# Altium PCB PCB1.PcbDoc (part 2 of 4) (continued)
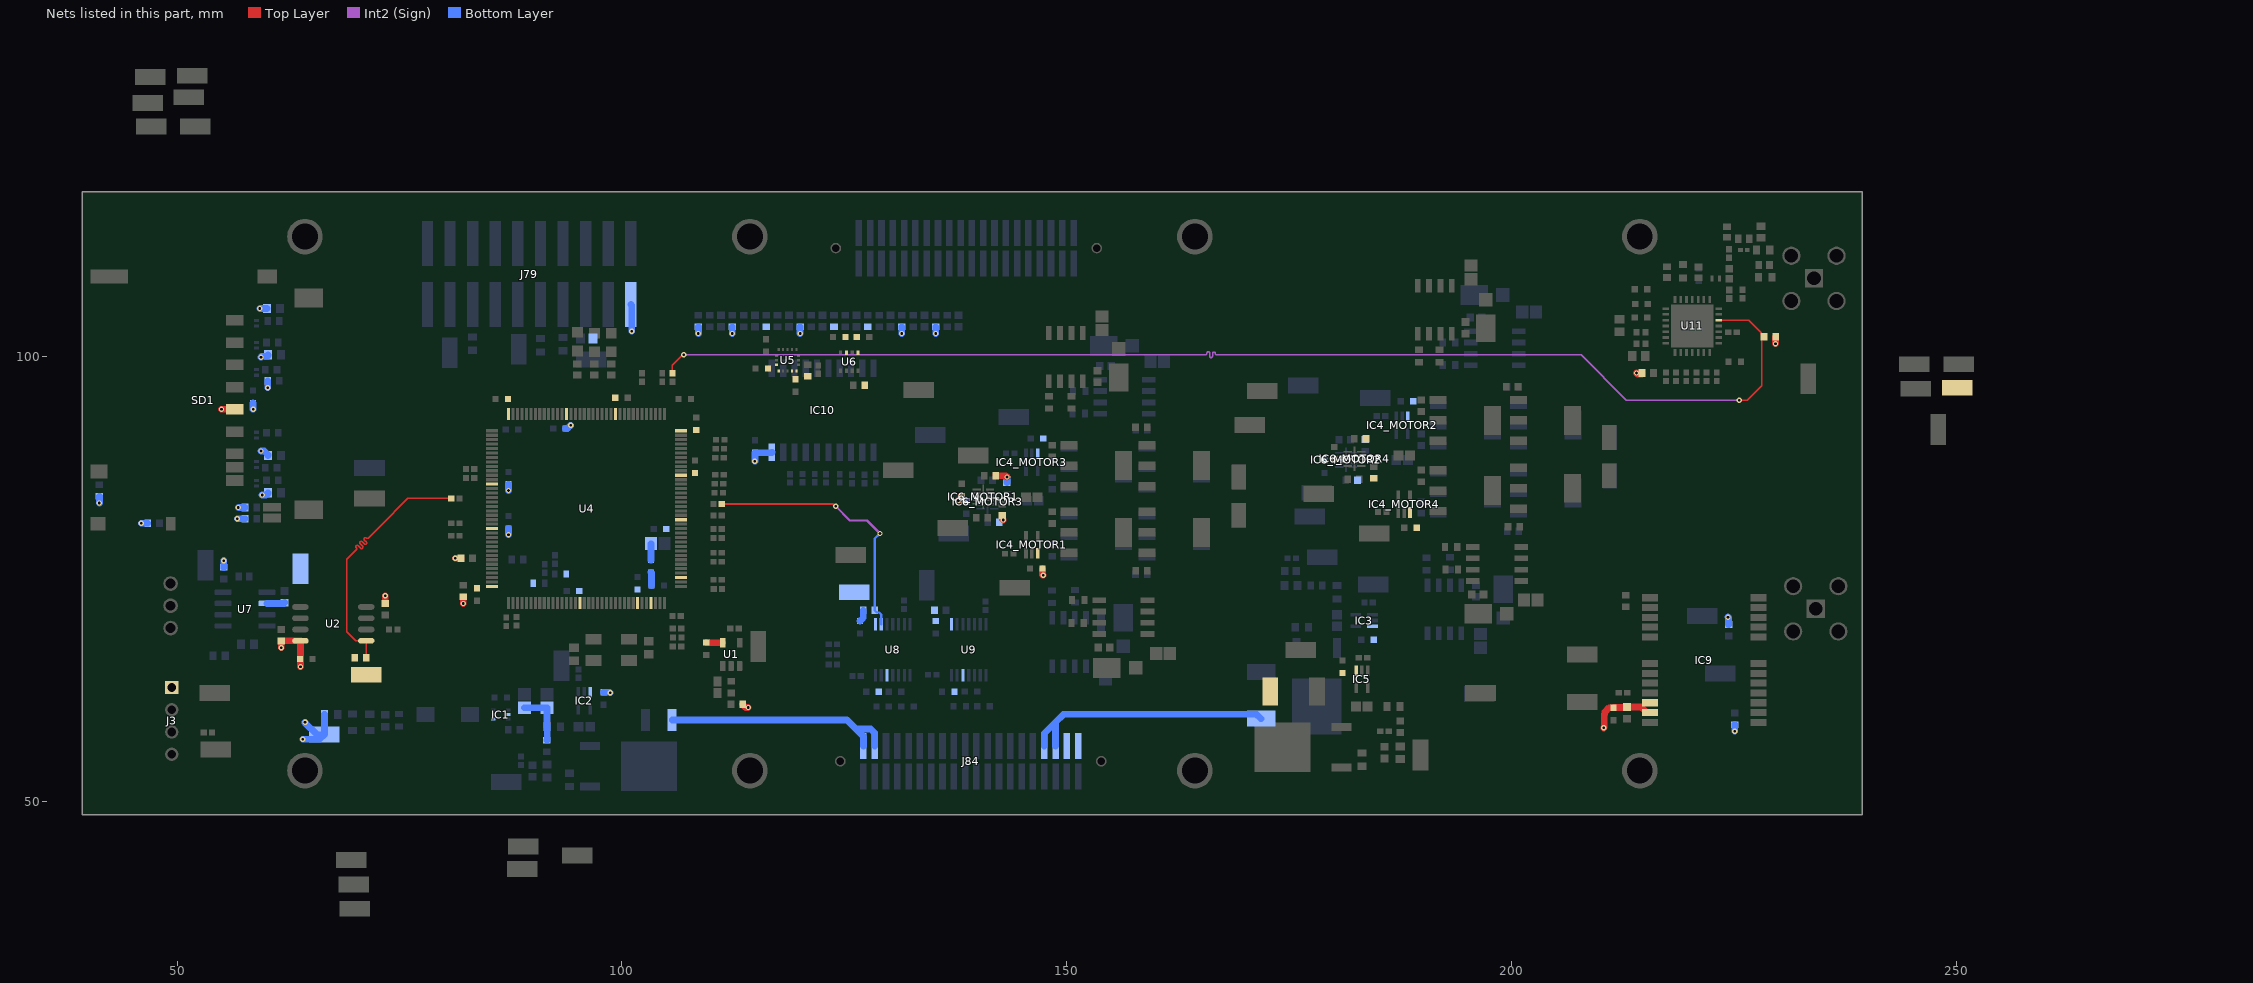
[diagram p6: the nets of this part, all layers, seen from the top]
## Part data (continued)
R119 R120: library part CMP-2000-06942-1, "Chip Resistor, 4.7 KOhm, +/- 1%, 0.1 W, -55 to 155 degC, 0603 (1608 Metric), RoHS, Tape and Reel", Case Code (Imperial)=0603, Case Code (Metric)=1608, Manufacturer=Yageo, Max Operating Temperature=155°C, Max Power Dissipation=100mW, Min Operating Temperature=-55°C, Operating Temperature Range=-55Cto+155C, Package Description="2-Pin Surface Mount Device, Body 1.6 x 0.8 mm", Resistance=4.7kOhms, Resistance Tolerance=1%, Resistor Type="Thick Film", Supplier Part Number 1=603-RC0603FR-074K7L, Temperature Coefficient=100PPM/C, Voltage Rating=50V, Case Code - in=0603, Case Code - mm=1608, Case/Package=0603, Category="Chip SMD Resistors", ComponentLink1Description=https://datasheet.ciiva.com/15189/getdatasheetpartid-422754-15189760.pdf?src-supplier=Verical, ComponentLink1URL=https://datasheet.ciiva.com/15189/getdatasheetpartid-422754-15189760.pdf?src-supplier=Verical, ComponentLink2Description=https://datasheet.ciiva.com/22747/443971-22747528.pdf?src-supplier=Element14, ComponentLink2URL=https://datasheet.ciiva.com/22747/443971-22747528.pdf?src-supplier=Element14, ComponentLink3Description=https://datasheet.ciiva.com/7660/38590-7660794.pdf?src-supplier=Element14, ComponentLink3URL=https://datasheet.ciiva.com/7660/38590-7660794.pdf?src-supplier=Element14, ComponentLink4Description=https://datasheet.ciiva.com/7746/1868787-7746365.pdf?src-supplier=Element14, ComponentLink4URL=https://datasheet.ciiva.com/7746/1868787-7746365.pdf?src-supplier=Element14, ComponentLink5Description=https://datasheet.ciiva.com/46440/1868787-46440909.pdf?src-supplier=Element14, ComponentLink5URL=https://datasheet.ciiva.com/46440/1868787-46440909.pdf?src-supplier=Element14, ComponentLink6Description=https://datasheet.ciiva.com/7746/1738695-7746366.pdf?src-supplier=Element14, ComponentLink6URL=https://datasheet.ciiva.com/7746/1738695-7746366.pdf?src-supplier=Element14, Construction=Rectangular, Datasheet URL=http://www.yageo.com/documents/recent/PYu-RC_Group_51_RoHS_L_7.pdf, Datasheet Version="Rev. 7, 05/2017", Depth=0.8mm, Features="Moisture Resistant", Height=0.45mm, Lead Free="Lead Free", Lead Pitch=0.3mm, Length=1.6mm, Manufacturer Part Number=RC0603FR-074K7L, Manufacturer URL=http://www.yageo.com/, Military Standard=Not, Mounting Technology=SurfaceMount, Number of Pins=2, Number of Terminations=2, Package Reference=0603, Packaging=Reel, Power Rating=100mW, Pricing 1="1=0,10000, 10=0,02400, 50=0,02400, 100=0,01000, 1000=0,00400, 5000=0,00300, 10000=0,00300 (USD)", Product=ThickFilmResistorsGeneralPurpose, REACH SVHC="No SVHC", RoHS=Yes, RoHS Compliant=Yes, Series=RC, Size Code=0603, Stock 1=772810, Supplier 1=Mouser, Termination=SMD/SMT, Termination Style=SMD/SMT, Tolerance=1%, Voltage Rating (DC)=50V, Width=0.8mm
R144: library part CMP-2000-00875-1, Case Code (Imperial)=0603, Case Code (Metric)=1608, Manufacturer=Panasonic, Manufacturer Part Number=ERA-3AEB104V, Max Operating Temperature=155°C, Max Power Dissipation=100mW, Min Operating Temperature=-55°C, Package Quantity=5000, Resistance=100kR, Resistance Tolerance=0.1%, Resistor Type="Thin Film", Supplier Part Number 1=667-ERA-3AEB104V, Temperature Coefficient=25ppm/°C, Voltage Rating=75V, Case/Package=0603, Category="Chip SMD Resistors", ComponentLink1Description=https://datasheet.ciiva.com/11808/0900766b80fe20f7-11808030.pdf?src-supplier=RSComponents, ComponentLink1URL=https://datasheet.ciiva.com/11808/0900766b80fe20f7-11808030.pdf?src-supplier=RSComponents, ComponentLink2Description=https://datasheet.ciiva.com/29183/451655-da-01-en-widerstand-0603-era-29183868.pdf?src-supplier=Conrad, ComponentLink2URL=https://datasheet.ciiva.com/29183/451655-da-01-en-widerstand-0603-era-29183868.pdf?src-supplier=Conrad, ComponentLink3Description=https://datasheet.ciiva.com/46388/485442-46388111.pdf?src-supplier=Element14, ComponentLink3URL=https://datasheet.ciiva.com/46388/485442-46388111.pdf?src-supplier=Element14, ComponentLink4Description=https://datasheet.ciiva.com/5734/485442-5734533.pdf?src-supplier=Farnell, ComponentLink4URL=https://datasheet.ciiva.com/5734/485442-5734533.pdf?src-supplier=Farnell, ComponentLink5Description=https://datasheet.ciiva.com/46422/485442-46422521.pdf?src-supplier=Element14, ComponentLink5URL=https://datasheet.ciiva.com/46422/485442-46422521.pdf?src-supplier=Element14, ComponentLink6Description=https://datasheet.ciiva.com/48530/era-eng-tds-48530350.pdf?src-supplier=Distrelec, ComponentLink6URL=https://datasheet.ciiva.com/48530/era-eng-tds-48530350.pdf?src-supplier=Distrelec, ComponentLink7Description=https://datasheet.ciiva.com/16724/70068849-16724943.pdf?src-supplier=Allied+Electronics, ComponentLink7URL=https://datasheet.ciiva.com/16724/70068849-16724943.pdf?src-supplier=Allied+Electronics, ComponentLink8Description=https://datasheet.ciiva.com/9186/aoa0000ce26-9186700.pdf?src-supplier=Avnet, ComponentLink8URL=https://datasheet.ciiva.com/9186/aoa0000ce26-9186700.pdf?src-supplier=Avnet, ComponentLink9Description=https://datasheet.ciiva.com/16202/aoa0000ce26-16202041.pdf?src-supplier=Future+Electronics, ComponentLink9URL=https://datasheet.ciiva.com/16202/aoa0000ce26-16202041.pdf?src-supplier=Future+Electronics, ComponentLink10Description=https://datasheet.ciiva.com/30100/54aoa0000ce26-30100782.pdf?src-supplier=Onlinecomponents.com, ComponentLink10URL=https://datasheet.ciiva.com/30100/54aoa0000ce26-30100782.pdf?src-supplier=Onlinecomponents.com, Construction=Rectangular, Contact Plating=Tin, Depth=0.8mm, Features="Automotive AEC-Q200", Height=0.45mm, Length=1.6mm, Military Standard=Not, Mount="Surface Mount", Number of Pins=2, Number of Terminations=2, Packaging="Tape and Reel", Part Number=ERA3AEB104V, Power Rating=100mW, Pricing 1="1=0,35000, 10=0,30000, 50=0,30000, 100=0,11700, 1000=0,04900, 2500=0,04500, 5000=0,04400, 10000=0,04400 (USD)", Radiation Hardening=No, REACH SVHC="No SVHC", RoHS=Yes, RoHS Compliant=Yes, Series=ERA, Stock 1=3419, Supplier 1=Mouser, Technology="THIN FILM", Termination=SMD/SMT, Tolerance=0.1%, Width=0.8mm, Working Voltage=75V
R163 R164 R165 R166: library part CMP-2000-00536-1, Case Code (Imperial)=0603, Case Code (Metric)=1608, Manufacturer=Panasonic, Max Operating Temperature=155°C, Max Power Dissipation=100mW, Min Operating Temperature=-55°C, Package Quantity=1, Resistance=49.9kR, Resistance Tolerance=1%, Resistor Type="Thick Film", Supplier Part Number 1=667-ERJ-3EKF4992V, Temperature Coefficient=100ppm/°C, Voltage Rating=75V, Voltage Rating (DC)=50V, Case/Package=0603, Category="Chip SMD Resistors", ComponentLink1Description=https://datasheet.ciiva.com/27055/1988209-27055691.pdf?src-supplier=Jameco, ComponentLink1URL=https://datasheet.ciiva.com/27055/1988209-27055691.pdf?src-supplier=Jameco, ComponentLink2Description=https://datasheet.ciiva.com/43460/426256-43460597.pdf?src-supplier=Farnell, ComponentLink2URL=https://datasheet.ciiva.com/43460/426256-43460597.pdf?src-supplier=Farnell, ComponentLink3Description=https://datasheet.ciiva.com/6064/426256-6064568.pdf?src-supplier=Farnell, ComponentLink3URL=https://datasheet.ciiva.com/6064/426256-6064568.pdf?src-supplier=Farnell, ComponentLink4Description=https://datasheet.ciiva.com/46377/426256-46377973.pdf?src-supplier=Element14, ComponentLink4URL=https://datasheet.ciiva.com/46377/426256-46377973.pdf?src-supplier=Element14, ComponentLink5Description=https://datasheet.ciiva.com/28694/1678782-28694218.pdf?src-supplier=Element14, ComponentLink5URL=https://datasheet.ciiva.com/28694/1678782-28694218.pdf?src-supplier=Element14, ComponentLink6Description=https://datasheet.ciiva.com/16440/aoa0000ce2-16440183.pdf?src-supplier=Future+Electronics, ComponentLink6URL=https://datasheet.ciiva.com/16440/aoa0000ce2-16440183.pdf?src-supplier=Future+Electronics, ComponentLink7Description=https://datasheet.ciiva.com/48531/aoa0000ce2-48531016.pdf?src-supplier=Avnet, ComponentLink7URL=https://datasheet.ciiva.com/48531/aoa0000ce2-48531016.pdf?src-supplier=Avnet, ComponentLink8Description=https://datasheet.ciiva.com/30147/aoa0000ce2-30147900.pdf?src-supplier=Onlinecomponents.com, ComponentLink8URL=https://datasheet.ciiva.com/30147/aoa0000ce2-30147900.pdf?src-supplier=Onlinecomponents.com, ComponentLink9Description=https://datasheet.ciiva.com/15159/getdatasheetpartid-52039-15159595.pdf?src-supplier=Verical, ComponentLink9URL=https://datasheet.ciiva.com/15159/getdatasheetpartid-52039-15159595.pdf?src-supplier=Verical, ComponentLink10Description=https://datasheet.ciiva.com/17209/aoa0000ce2-17209495.pdf?src-supplier=Avnet+Europe, ComponentLink10URL=https://datasheet.ciiva.com/17209/aoa0000ce2-17209495.pdf?src-supplier=Avnet+Europe, Construction=Rectangular, Contact Plating=Tin, Depth=0.8mm, Features="Automotive AEC-Q200", Height=0.45mm, Lead Free="Lead Free", Length=1.6mm, Manufacturer Part Number=ERJ-3EKF4992V, Military Standard=Not, Mount="Surface Mount", Number of Terminations=2, Packaging="Tape and Reel", Part Number=ERJ-3EKF4992V, Power Rating=100mW, Pricing 1="1=0,10000, 10=0,03700, 50=0,03700, 100=0,01600, 1000=0,00700, 2500=0,00600, 5000=0,00400, 10000=0,00400 (USD)", Radiation Hardening=No, REACH SVHC="No SVHC", RoHS=Yes, RoHS Compliant=Yes, Series=ERJ, Size Code=0603, Stock 1=91, Supplier 1=Mouser, Technology="THICK FILM", Termination=SMD/SMT, Tolerance=1%, Weight=7.1E-05oz, Width=0.8mm
R168 R169 R170 R171 R172 R173: library part CMP-1012-00320-3, "Chip Resistor, 22 Ohm, +/- 1%, 0.1 W, -55 to 155 degC, 0603 (1608 Metric), RoHS, Tape and Reel", Case Code (Imperial)=0603, Case Code (Metric)=1608, Manufacturer=Panasonic, Manufacturer Part Number=ERJ3EKF22R0V, Max Operating Temperature=155°C, Max Power Dissipation=100mW, Min Operating Temperature=-55°C, Package Quantity=5000, Resistance=22R, Resistance Tolerance=1%, Resistor Type="Thick Film", Supplier Part Number 1=667-ERJ-3EKF22R0V, Temperature Coefficient=100ppm/°C, Voltage Rating=75V, Case/Package=0603, Category="Chip SMD Resistors", ComponentLink1Description="Manufacturer URL", ComponentLink1URL=http://www.panasonic.com/, ComponentLink2Description=Datasheet, ComponentLink2URL=http://industrial.panasonic.com/cdbs/www-data/pdf/RDA0000/AOA0000C86.pdf, ComponentLink3Description=https://datasheet.ciiva.com/5868/aoa0000ce2-5868139.pdf?src-supplier=Farnell, ComponentLink3URL=https://datasheet.ciiva.com/5868/aoa0000ce2-5868139.pdf?src-supplier=Farnell, ComponentLink4Description=https://datasheet.ciiva.com/22674/1678782-22674425.pdf?src-supplier=Element14, ComponentLink4URL=https://datasheet.ciiva.com/22674/1678782-22674425.pdf?src-supplier=Element14, ComponentLink5Description=https://datasheet.ciiva.com/22687/1678782-22687388.pdf?src-supplier=Element14, ComponentLink5URL=https://datasheet.ciiva.com/22687/1678782-22687388.pdf?src-supplier=Element14, ComponentLink6Description=https://datasheet.ciiva.com/46446/1678782-46446333.pdf?src-supplier=Element14, ComponentLink6URL=https://datasheet.ciiva.com/46446/1678782-46446333.pdf?src-supplier=Element14, Construction=Rectangular, Contact Plating=Tin, DatasheetVersion=Apr-15, Depth=0.8mm, Features="Automotive AEC-Q200", Height=0.45mm, Lead Free="Lead Free", Length=1.6mm, Military Standard=Not, Mount="Surface Mount", Number of Pins=2, Number of Terminations=2, PackageDescription="2-Pin Surface Mount Device, Body 1.6 x 0.85 mm", PackageReference=0603, Packaging="Tape and Reel", Power Rating=100mW, Pricing 1="1=0,10000, 10=0,04000, 50=0,04000, 100=0,01700, 1000=0,00900, 5000=0,00400, 10000=0,00400 (USD)", Radiation Hardening=No, REACH SVHC="No SVHC", RoHS=Yes, RoHS Compliant=Yes, Series=ERJ, Stock 1=19455, Supplier 1=Mouser, Termination=SMD/SMT, Tolerance=1%, Voltage Rating (DC)=75V, Weight=7.1E-05oz, Width=0.8mm
SD1: library part CMP-1676-00006-1, "SD and Combo Memory Card Connector, 9 Position Surface Mount, -25 to 85 degC, RoHS, Tape and Reel", Case\Package=Axial, Current Rating=500mA, Manufacturer=Molex, Max Operating Temperature="85 degC", Max Supply Voltage="5.5 V", Max Voltage Rating (AC)=50V, Min Operating Temperature="-25 degC", Min Supply Voltage="2.5 V", Nominal Supply Current="3 mA", Output Current="5 mA", Package Quantity=1500, Supplier Part Number 1=538-503500-0991, Category="Memory Connectors", ComponentLink1Description="Manufacturer URL", ComponentLink1URL=http://www.molex.com/, ComponentLink2Description=Datasheet, ComponentLink2URL=http://www.molex.com/pdm_docs/sd/5035000991_sd.pdf, ComponentLink3Description=https://datasheet.ciiva.com/1104/ps-503500-001-1104674.pdf?src-supplier=Element14, ComponentLink3URL=https://datasheet.ciiva.com/1104/ps-503500-001-1104674.pdf?src-supplier=Element14, ComponentLink4Description=https://datasheet.ciiva.com/3121/5035000991-memory-card-socket-3121524.pdf?src-supplier=Avnet, ComponentLink4URL=https://datasheet.ciiva.com/3121/5035000991-memory-card-socket-3121524.pdf?src-supplier=Avnet, ComponentLink5Description=https://datasheet.ciiva.com/4581/5035000991-memory-card-socket-152467-4581202.pdf?src-supplier=Mouser, ComponentLink5URL=https://datasheet.ciiva.com/4581/5035000991-memory-card-socket-152467-4581202.pdf?src-supplier=Mouser, ComponentLink6Description=https://datasheet.ciiva.com/46395/1912439-46395610.pdf?src-supplier=Element14, ComponentLink6URL=https://datasheet.ciiva.com/46395/1912439-46395610.pdf?src-supplier=Element14, ComponentLink7Description=https://datasheet.ciiva.com/16547/5035000991-memory-card-socket-16547222.pdf?src-supplier=Avnet+Europe, ComponentLink7URL=https://datasheet.ciiva.com/16547/5035000991-memory-card-socket-16547222.pdf?src-supplier=Avnet+Europe, Connector Type=Connector,Socket, Contact Material="Copper Alloy,Copper", Contact Plating=Gold, DatasheetVersion="Rev. B, 02/2010", Depth=27.8mm, Gender=Female, Halogen Free="Low Halogen", Height="6.95 mm", Housing Material=Polymer, Length="5 mm", Manufacturer Part Number=503500-0991, Max Voltage Rating (DC)=50V, Mount="Through Hole", Number of Circuits=9, Number Of Contacts=9, Number of Rows=1, Orientation="Right Angle", PackageDescription="SD Card Connector", PackageReference=503500-0991, Packaging=Bulk, Pins=3, Pitch=2.5mm, Pricing 1="1=5,19000, 10=4,58000, 50=4,58000, 100=3,64000, 500=3,53000, 1000=3,01000, 2500=2,80000, 5000=2,70000, 10000=2,59000 (USD)", Radiation Hardening=No, REACH SVHC=Unknown, RoHS=Yes, RoHS Compliant=Yes, RoHSCompliant=true, Series=503500, Stock 1=1336, Supplier 1=Mouser, Termination=Solder, Voltage Rating (AC)=50V, Width="4.8 mm"
U1: library part CMP-0859-00041-5, "IC BUF NON-INVERT 5.5V SOT23-5", Ambient Temperature Range High=+125°C, Ambient Temperature Range Low=-40°C, Manufacturer="Texas Instruments", Max Supply Voltage=5.5V, Min Supply Voltage=1.65V, Nominal Supply Current=10uA, Package=DBV0005A, Temperature="-40°C to +125°C", Automotive=No, Category=IC, ComponentLink2Description=Datasheet, ComponentLink2URL=http://www.ti.com/lit/ds/symlink/sn74lvc1g17.pdf, Device Class L1="Integrated Circuits (ICs)", Device Class L2="Logic ICs", Device Class L3=Buffers, Digikey Description="IC BUF NON-INVERT 5.5V SOT23-5", Height=1.45mm, Lead Free=Yes, Logic Function Desc=Non-Inverting, Manufacturer Part Number=SN74LVC1G17DBVT, Mouser Description="Buffers & Line Drivers SNGL Schmitt Trigger Buffer", Number of Circuits=1, Number Of Inputs=1, Number Of Outputs=1, Octopart=https://octopart.com/sn74lvc1g17dbvt-texas+instruments-2326350, Propagation Delay=4.6ns, RoHS=TRUE, Standoff Height=0mm, Temperature Range High=+125°C, Temperature Range Low=-40°C
U2: library part CMP-2000-05361-1, "MirrorBit(R) Flash Non-Volatile Memory, 128 Mbit, 2.7 to 3.6 V, -40 to 85 degC, 8-Pin SO, Lead (Pb)-free, Tube", Clock Frequency=108MHz, Manufacturer=Spansion, Memory Case Style=SOIC, Operating Temperature Max=85degC, Operating Temperature Min=-40degC, Supply Voltage Max=3.6V, Supply Voltage Min=2.7V, Datasheet URL=http://datasheet.octopart.com/S25FL127SABMFI101-Spansion-datasheet-16486153.pdf, Datasheet Version="Rev. 02, 04/2013", IC Interface Type=SPI, Manufacturer URL=http://www.cypress.com/, Memory Configuration=(NotApplicable), Memory Size=16MB, Memory Type=Flash, MSL=MSL3-168hours, No. of Pins=8, SVHC=NoSVHC(19-Dec-2012)
U4: library part CMP-1570-00007-1, "ARM-Based Cortex-M7 32 Bit MCU+FPU, 462 DMIPS, 1024 kB Flash, 320 kB RAM, 114 I/Os, -40 to 85 degC, 144-Pin LQFP, Halogen-Free, Tray", Case/Package=LQFP, Clock Frequency Max="216 MHz", Frequency=216MHz, Manufacturer=STMicroelectronics, Max Operating Temperature=85°C, Max Supply Voltage=3.6V, Min Operating Temperature=-40°C, Min Supply Voltage=1.7V, PartNumber=STM32F746ZG, Supplier Part Number 1=511-STM32F746ZGT6, Supply Voltage Max="3.6 V", Supply Voltage Min="1.7 V", Temperature Max="85 degC", Temperature Min="-40 degC", Category=Microcontrollers, ComponentLink1Description="Manufacturer URL", ComponentLink1URL=http://www.st.com/web/en/home.html, ComponentLink2Description=Datasheet, ComponentLink2URL=http://www.st.com/st-web-ui/static/active/en/resource/technical/document/datasheet/DM00166116.pdf, ComponentLink3Description="Package Specification", ComponentLink3URL=http://www.st.com/st-web-ui/static/active/en/resource/technical/document/datasheet/DM00037051.pdf, ComponentLink4Description=http://www.alliedelec.com/images/products/datasheets/bm/STMICROELECTRONICS/70612621.pdf?src-supplier=Allied+Electronics, ComponentLink4URL=http://www.alliedelec.com/images/products/datasheets/bm/STMICROELECTRONICS/70612621.pdf?src-supplier=Allied+Electronics, ComponentLink5Description=http://www.mouser.com/ds/2/389/stm32f745ie-956321.pdf?src-supplier=Mouser, ComponentLink5URL=http://www.mouser.com/ds/2/389/stm32f745ie-956321.pdf?src-supplier=Mouser, ComponentLink6Description=http://www.st.com/content/ccc/resource/technical/document/errata_sheet/4d/39/a6/8c/84/47/47/67/DM00145382.pdf/files/DM00145382.pdf/jcr:content/translations/en.DM00145382.pdf?src-supplier=Digi-Key, ComponentLink6URL=http://www.st.com/content/ccc/resource/technical/document/errata_sheet/4d/39/a6/8c/84/47/47/67/DM00145382.pdf/files/DM00145382.pdf/jcr:content/translations/en.DM00145382.pdf?src-supplier=Digi-Key, ComponentLink7Description=https://4donline.ihs.com/images/VipMasterIC/IC/SGST/SGST-S-A0001541368/SGST-S-A0001541368-1.pdf?hkey=52A5661711E402568146F3353EA87419&src-supplier=Farnell, ComponentLink7URL=https://4donline.ihs.com/images/VipMasterIC/IC/SGST/SGST-S-A0001541368/SGST-S-A0001541368-1.pdf?hkey=52A5661711E402568146F3353EA87419&src-supplier=Farnell, ComponentLink8Description=https://4donline.ihs.com/images/VipMasterIC/IC/SGST/SGST-S-A0001541368/SGST-S-A0001541368-1.pdf?hkey=52A5661711E402568146F3353EA87419&src-supplier=Newark, ComponentLink8URL=https://4donline.ihs.com/images/VipMasterIC/IC/SGST/SGST-S-A0001541368/SGST-S-A0001541368-1.pdf?hkey=52A5661711E402568146F3353EA87419&src-supplier=Newark, ComponentLink9Description=http://www.farnell.com/datasheets/2006547.pdf?src-supplier=Element14, ComponentLink9URL=http://www.farnell.com/datasheets/2006547.pdf?src-supplier=Element14, Core Architecture=ARM, Data Bus Width=32b, Data RAM Size="320 KByte", Data Rate=480Mbps, DatasheetVersion="Rev. 1", Height=1.45mm, Interface=I2C,SPI,USB,CAN,Ethernet,IrDA,SD,UART,USART,LIN,EBI/EMI, L1 Cache Data Memory="4 KByte", L1 Cache Instruction Memory="4 KByte", Lead Free="Lead Free", Length=20.2mm, Manufacturer Part Number=STM32F746ZGT6, Max Frequency=216MHz, Memory Size=1MB, Memory Type=FLASH,OTP, Mount="Surface Mount", Mounting Technology="Surface Mount", Number of ADC Channels=24, Number of I/Os=114, Number of Pins=144, Number of PWM Channels=6, Number of Timers/Counters=15, Number of USB Channels=2, Oscillator Type=Internal, PackageDescription="144-Pin Low Profile Quad Flat Package, 20 x 20 mm Body, 0.5 mm Pitch", Packaging=Tray, Packing=Tray, Peripherals="Brown-out Detect/Reset,POR,PWM,WDT,DMA,LCD", Pricing 1="1=17,14000, 10=15,76000, 25=15,10000, 50=15,10000, 100=13,31000, 250=12,66000, 500=11,83000, 1000=10,88000, 2500=10,46000, 10000=11,83000 (USD)", Program Memory Size="1024 KByte", RAM Size=320KB, REACH SVHC="No SVHC", RoHS=Yes, RoHS Compliant=Yes, Stock 1=15, Supplier 1=Mouser, Width=20.2mm
U5: library part CMP-2000-07589-1, "High Performance 6-Axis MEMS MotionTracking(TM) Device, 1.71 to 3.45 V, -40 to 85 degC, 16-Pin LGA, RoHS", Manufacturer=InvenSense, Max Operating Temperature=85degC, Min Operating Temperature=-40degC, Package Description="16-Pin Land Grid Array, Body 3 x 3 mm, Pitch 0.5 mm", Package Reference=I62-16, Datasheet URL=http://www.invensense.com/wp-content/uploads/2016/10/DS-000176-ICM-20602-v1.0.pdf, Datasheet Version="Rev. 1.0, 10/2016", Manufacturer URL=http://www.invensense.com/, Mounting Technology=SurfaceMount, Output Type=I2C, RoHSCompliant=True, Sensor Type=Temperature
U6: library part CMP-2000-05073-3, "SENSOR PRESSURE HUMIDITY TEMP", Case/Package=LGA, Max Operating Temperature=85°C, Min Operating Temperature=-40°C, Accuracy=3%, Lead Free="Lead Free", Mount="Surface Mount", Number of Pins=8, Output Type=SPI, Packaging="Cut Tape", Response Time=1s, Sensor Type=Temperature
U8 U9: library part CMP-05752-000010-1, "IC CONV THERMOCOUPLE 14TSSOP", Case/Package=TSSOP, Max Operating Temperature=125°C, Max Supply Voltage=3.6V, Min Operating Temperature=-55°C, Min Supply Voltage=3V, Operating Supply Current=1.2mA, Interface=SPI, Mount="Surface Mount", Number of Pins=14, Output Type=Digital, Packaging=Rail/Tube
U11: library part CMP-2000-05356-1, "Low Power Long Range Transceiver, 137 to 1020 MHz, -40 to 85 degC, 28-Pin QFN, RoHS, Tape and Reel", Case/Package=VQFN, Current - Receiving=10.8mA~12mA, Current - Transmitting=20mA~120mA, Frequency=137MHz~1.02GHz, Manufacturer=Semtech, Max Operating Temperature=85°C, Min Operating Temperature=-40°C, Operating Supply Voltage=3.7V, Operating Temperature=-40degC~85degC, Package / Case=28-VQFNExposedPad, Package Description="28-Pin Quad Flat No-lead Package, Body 6 x 6 mm, Pitch 0.65 mm", Package Quantity=3000, Package Reference=QFN-28, Power - Output=20dBm, Standard Package=3,000, Supplier Part Number 1=947-SX1276IMLTRT, Voltage - Supply=1.8V~3.7V, Category=RF/IFandRFID, ComponentLink1Description=https://datasheet.ciiva.com/29635/sx1276-29635605.pdf?src-supplier=Digi-Key, ComponentLink1URL=https://datasheet.ciiva.com/29635/sx1276-29635605.pdf?src-supplier=Digi-Key, ComponentLink2Description=https://datasheet.ciiva.com/29635/sx1276-29635606.pdf?src-supplier=Digi-Key, ComponentLink2URL=https://datasheet.ciiva.com/29635/sx1276-29635606.pdf?src-supplier=Digi-Key, ComponentLink3Description=https://datasheet.ciiva.com/29635/sx1276-29635607.pdf?src-supplier=Digi-Key, ComponentLink3URL=https://datasheet.ciiva.com/29635/sx1276-29635607.pdf?src-supplier=Digi-Key, Data Rate=300Kbps, Data Rate (Max)=300kbps, Datasheet URL=http://www.semtech.com/images/datasheet/sx1276.pdf, Datasheet Version="Rev. 4, 03/2015", Design Resources=SX127xReferenceDesignOverviewDevelopmentToolSelector, Family=RFTransceiverICs, Featured Product=SX1276LongRangeTransceiver, GPIO=6, Interface=SPI, Lead Free="Lead Free", Manufacturer Part Number=SX1276IMLTRT, Manufacturer URL=http://www.semtech.com/, Memory Size=-, Mfg Application Notes=LoRaModulation:CrystalOscillatorGuidanceSX12xxSoftwareImplementationofDataWhiteningandCRCSX127xLoRaLowEnergyDesignGuideSX127xLoRaModemDesignersGuide, Modulation=FSK,GFSK,GMSK,MSK,OOK, Number of GPIO=6, Online Catalog=SX1276,SX1277andSX1278, Other Names=SX1276IMLTRTTR, Packaging=Tape&Reel(TR), PCN Design/Specification=CopperWire25/Mar/2014, Pricing 1="1=7,68000, 10=7,04000, 25=6,40000, 50=6,40000, 100=5,76000, 250=5,28000, 500=4,80000, 1000=4,76000, 3000=4,61000, 10000=4,61000 (USD)", Protocol=LoRa™, RF Family/Standard=802.15.4, RoHS=Yes, Sensitivity=-148dBm, Serial Interfaces=SPI, Series=-, Stock 1=32, Supplier 1=Mouser, Type=TxRx+MCU
X1: library part CMP-1688-00003-1, "Ceramic SMD Crystal, 16 MHz, +/- 20 ppm, 50 Ohm, -20 to 70 degC, 4-Pin SMD, RoHS, Tape and Reel", Case/Package=5028, Current Rating="1.82 A", Max Operating Temperature=105degC, Min Operating Temperature=-40degC, Package Quantity=500, Resistance="0.033 Ohm", Tolerance=30%, ComponentLink1Description="Manufacturer URL", ComponentLink1URL=http://www.abracon.com/, ComponentLink2Description=Datasheet, ComponentLink2URL=http://www.abracon.com/Resonators/abm3b.pdf, DatasheetVersion=Aug-15, Height="2.8 mm", Length="0.197 inch", Mount="Surface Mount", PackageDescription="4-Pin Surface Mount Device, Body 5 x 3.2 mm", PackageReference=ABM3B, Packaging="Tape and Reel", REACH SVHC=Unknown, RoHSCompliant=True, Shielding=Shielded, Width="0.197 inch"
Y1: "Crystal or Oscillator", Manufacturer_Name=ABRACON, Mouser Part Number=815-ABM11-32-D2XT3, Arrow Part Number=ABM11-32.000MHZ-D2X-T3, Arrow Price/Stock=https://www.arrow.com/en/products/abm11-32.000mhz-d2x-t3/abracon, Datasheet Link=https://datasheet.datasheetarchive.com/originals/dk/DKDS-11/203423.pdf, Height=0.59mm, Manufacturer_Part_Number=ABM11-32.000MHZ-D2X-T3, Mouser Price/Stock=https://www.mouser.com/Search/Refine.aspx?Keyword=815-ABM11-32-D2XT3

## Free pads (board coordinates)
  round 4 hole 2.9: MECA1(64.37,113.491) MECA2(114.37,113.491) MECA3(164.37,113.491) MECA4(214.37,113.491) MECA5(64.37,53.491) MECA6(114.37,53.491) MECA7(164.37,53.491) MECA8(214.37,53.491)

## Via types
v1: diameter 0.6, hole 0.3, Top Layer to Bottom Layer, 224 vias
v2: diameter 0.4, hole 0.2, Top Layer to Bottom Layer, 18 vias
v3: diameter 0.5, hole 0.2, Top Layer to Bottom Layer, 16 vias

## Nets (pads, with @x,y where several pads share a name; then routed paths per layer and width w, separated by ;. In a path a pad name is that pad's centre, name@x,y a point inside that pad or via, vN(x,y) a via of type N, cw(c..) or ccw(c..) an arc to the next point about the centre after c; other vN are vias at no path point)
+3V3: C2.1 C11.1 C12.1 C15.1 C16.1 C19.1 C20.1 C21.1 C22.1 C23.1 C24.1 C25.1 C26.1 C27.1 C28.1 C29.1 C31.1 C32.1 C51.1 C52.1 C54.1 C57_MOTOR1.1 C57_MOTOR2.1 C57_MOTOR3.1 C57_MOTOR4.1 C62.2 C63.1 C64.1 C66.1 C68.1 C76_MOTOR1.1 C76_MOTOR2.1 C76_MOTOR3.1 C76_MOTOR4.1 C81.1 FB1.1 IC2.3 IC3.3 IC4_MOTOR1.3 IC4_MOTOR2.3 IC4_MOTOR3.3 IC4_MOTOR4.3 IC5.3 IC6_MOTOR1.9 IC6_MOTOR2.9 IC6_MOTOR3.9 IC6_MOTOR4.9 IC9.22 IC9.23 IC10.20 J3.1 J6.1 J79.1 R9.2 R10.2 R11.2 R12.2 R13.2 R14.2 R15.2 R16.2 R17.2 R20.2 R21.2 R31.2 R32.2 R88.2 R106.2 R108_MOTOR1.2 R108_MOTOR2.2 R108_MOTOR3.2 R108_MOTOR4.2 R111_MOTOR1.2 R111_MOTOR2.2 R111_MOTOR3.2 R111_MOTOR4.2 R115.2 R119.2 R120.2 R121.2 R122.2 R144.2 R145.2 R146.2 R147.2 R148.2 R149.2 R150.2 R155.2 R156.2 R157.2 R158.2 R163.2 R164.2 R165.2 R166.2 R167.2 SD1.4 U1.5 U2.8 U4.17 U4.30 U4.39 U4.52 U4.62 U4.72 U4.84 U4.95 U4.108 U4.121 U4.131 U4.144 U5.1 U5.4 U5.5 U5.16 U6.6 U6.8 U8.8 U9.8 | length 60.2
  Top Layer w0.762: v1(54.991,94.107) 56.465,94.107 SD1.4@56.492,94.08 ; v1(61.722,67.31) R11.2@61.722,68.057 61.76,68.057 61.775,68.072 U2.8@63.864,68.072 63.864,65.168 v1(63.881,65.151) ; R10.2@73.406,72.278 v1(73.406,73.152) ; v1(81.28,77.343) R16.2@81.9,77.343 ; v1(82.169,72.263) R17.2@82.169,73.01 ; C54.1@109.474,67.883 109.509,67.848 U1.5@111.318,67.848 ; R106.2@113.553,60.96 113.553,60.922 113.896,60.579 v1(114.173,60.579) ; v1(137.795,83.82) 137.795,83.947 C57_MOTOR1.1@138.176,84.328 ; R111_MOTOR1.2@142.001,86.614 143.129,86.614 v1(143.256,86.487) ; R108_MOTOR1.2@142.748,82.154 142.786,82.154 142.792,82.148 142.792,81.698 v1(142.829,81.661) ; C76_MOTOR1.1@147.258,76.2 147.258,75.5 v1(147.32,75.438) ; v1(210.312,58.293) 210.378,58.359 210.378,59.794 210.439,59.855 210.439,60.071 210.93,60.562 C63.1@211.409,60.562 211.442,60.595 212.889,60.595 C62.2@212.933,60.639 214.526,60.639 215.004,60.161 215.004,60.034 215.023,60.015 IC9.23@215.523,60.015 ; v1(213.995,98.171) 214.122,98.044 214.63,98.044 214.615,98.059 R32.2@214.615,98.171 ; v1(229.616,101.473) 229.625,101.482 229.625,102.229 R31.2@229.631,102.235
  Bottom Layer w0.762: v1(41.275,83.566) R12.2@41.275,84.313 ; v1(45.974,81.28) R13.2@46.721,81.28 ; R115.2@55.245,76.327 v1(55.245,77.089) ; v1(56.769,81.788) R15.2@57.643,81.788 ; v1(56.896,83.058) R14.2@57.643,83.058 ; v1(58.547,94.107) C16.1@58.547,94.804 ; v1(59.309,105.41) R163.2@60.108,105.41 ; v1(59.436,89.408) 59.802,89.408 60.235,88.975 R165.2@60.235,88.9 ; v1(59.436,99.949) 59.546,100.059 60.166,100.059 60.235,100.128 R166.2@60.235,100.203 ; v1(59.563,84.455) 59.981,84.455 60.091,84.565 60.166,84.565 60.235,84.634 R164.2@60.235,84.709 ; R167.2@60.183,97.282 60.189,97.276 60.189,96.529 v1(60.198,96.52) ; v1(64.135,57.023) 66.04,57.023 J6.1@66.548,57.531 ; v1(64.389,58.928) 64.389,58.865 65.723,57.531 J6.1@66.548,57.531 ; R88.2@66.56,59.817 66.56,57.543 J6.1@66.548,57.531 ; v1(87.249,80.01) C22.1@87.249,80.707 ; v1(87.249,84.963) C23.1@87.249,85.66 ; C25.1@93.664,91.948 93.853,91.948 94.186,92.281 v1(94.234,92.281) ; C2.1@97.917,62.295 98.614,62.295 v1(98.679,62.23) ; J79.1@100.999,105.862 101.092,105.768 v1(101.092,102.87) ; C64.1@103.249,78.994 103.251,78.992 FB1.1@103.251,77.129 ; v1(108.585,102.616) R147.2@108.585,103.363 ; v1(112.395,102.616) R148.2@112.395,103.363 ; v1(114.935,88.265) C81.1@114.935,89.216 116.809,89.216 116.84,89.247 IC10.20@116.84,89.255 ; v1(120.015,102.616) R150.2@120.015,103.363 ; C66.1@126.746,70.296 127.106,70.656 127.106,71.495 R145.2@127.112,71.501 ; v1(131.445,102.616) R157.2@131.445,103.363 ; v1(135.255,102.616) R158.2@135.255,103.363 ; v1(137.795,83.82) 138.622,83.82 C57_MOTOR3.1@138.684,83.758 ; R108_MOTOR3.2@143.256,85.852 v1(143.256,86.487) ; v1(224.282,70.739) 224.319,70.702 224.319,69.916 224.325,69.91 R121.2@224.363,69.91 ; v1(225.044,57.912) R122.2@225.044,58.659
+3V3_A: C65.1 C67.1 C69.1 FB1.2 U4.33 U8.5 U9.5 | length 1.5
  Bottom Layer w0.762: FB1.2@103.251,75.779 103.313,75.717 C65.1@103.313,74.295
+9V: C7.1 C8.1 C60.2 IC1.1 IC1.5 J4.1 R86.2 R87.2 U7.2 | length 8.3
  Bottom Layer w0.762: U7.2@60.096,72.279 61.982,72.279 62.078,72.375 C60.2@62.103,72.375 ; C8.1@89.043,60.554 C7.1@91.583,60.554 91.587,60.55 91.587,58.424 R86.2@91.591,58.42 91.591,56.917 91.585,56.911 R87.2@91.567,56.911
+VBAT: F1.1 J84.01 J84.03 | length 27.1
  Bottom Layer w0.762: F1.1@105.64,59.182 125.274,59.182 126.29,58.166 ; J84.01@127.127,56.261 127.127,57.329 126.29,58.166 ; J84.03@128.397,56.261 128.397,57.72 127.951,58.166 126.29,58.166
+VBAT_MOTOR1: F2.1 J84.33 J84.35 | length 29.5
  Bottom Layer w0.762: J84.33@147.447,56.261 147.447,57.658 148.717,58.928 ; J84.35@148.717,56.261 148.717,58.599 148.717,58.928 ; F2.1@171.791,59.321 171.295,59.817 149.606,59.817 148.717,58.928
+VBAT_MOTOR2: F3.1 J84.37 J84.39 | length 0.1
  Top Layer w0.762: F3.1@172.748,62.456 F3.1@172.847,62.357
\CS_FLASH: J51.1 R9.1 R68.2 U2.1 | length 29.3
  Top Layer w0.156: R9.1@71.262,66.167 71.264,66.169 U2.1@71.264,68.072 70.069,68.072 69.85,68.291 69.85,68.326 69.088,69.088 69.088,77.216 70.104,78.232 70.159,78.287 ccw(c70.048,78.398) 70.159,78.51 70.134,78.535 cw(c70.245,78.646) 70.134,78.757 cw(c70.245,78.646) 70.356,78.757 70.629,78.484 ccw(c70.74,78.595) 70.851,78.484 ccw(c70.74,78.596) 70.851,78.707 70.579,78.979 cw(c70.69,79.09) 70.579,79.202 cw(c70.69,79.09) 70.801,79.202 71.043,78.96 ccw(c71.154,79.071) 71.265,78.96 ccw(c71.154,79.071) 71.265,79.182 71.048,79.399 cw(c71.16,79.51) 71.048,79.621 cw(c71.16,79.51) 71.271,79.621 ccw(c71.382,79.732) 71.493,79.621 72.834,80.962 75.946,84.074 80.403,84.074
\CS_RADIO: J9.1 R31.1 R34.2 U11.19 | length 139.5
  Top Layer w0.156: R34.2@105.664,98.138 105.664,99.06 106.649,100.045 106.656,100.045 106.814,100.203 v1(106.934,100.203) ; U11.19@223.247,104.105 226.603,104.105 228.034,102.674 228.034,102.532 R31.1@228.331,102.235 ; v1(225.552,95.123) 226.441,95.123 228.075,96.757 R31.1@228.075,102.275
  Int2 (Sign) w0.159: v1(106.934,100.203) 165.481,100.203 165.561,100.203 ccw(c165.561,100.362) 165.72,100.362 165.72,100.394 cw(c165.878,100.394) 165.878,100.553 cw(c165.878,100.394) 166.037,100.394 166.037,100.055 ccw(c166.196,100.055) 166.196,99.896 ccw(c166.196,100.055) 166.354,100.055 166.354,100.362 cw(c166.513,100.362) 166.513,100.521 cw(c166.513,100.362) 166.672,100.362 ccw(c166.831,100.362) 166.831,100.203 170.001,100.203 207.772,100.203 212.852,95.123 v1(225.552,95.123)
\CS_TEMP1: J77.1 R48.2 R145.1 U8.9 | length 30.1
  Top Layer w0.254: R48.2@111.219,83.439 123.671,83.439 123.925,83.185 v1(124.019,83.185) ; v1@128.892,80.137 v1(128.985,80.137)
  Int2 (Sign) w0.254: v1(124.019,83.185) 125.603,81.601 127.521,81.601 v1(128.985,80.137)
  Bottom Layer w0.254: v1(128.985,80.137) 128.412,79.564 128.412,71.495 128.66,71.247 128.905,71.247 129.129,71.023 U8.9@129.129,69.931